# Altium PCB DSP_FPGA.PcbDoc (part 4 of 7)
Units mm, origin at the board's own origin, x right, y up, seen from the top; angles counter-clockwise.
Board outline 243.59 x 170.13 mm, 2 copper layers (Top Layer, Bottom Layer); 649 components, 606 nets, 2327 pads, 2753 vias.
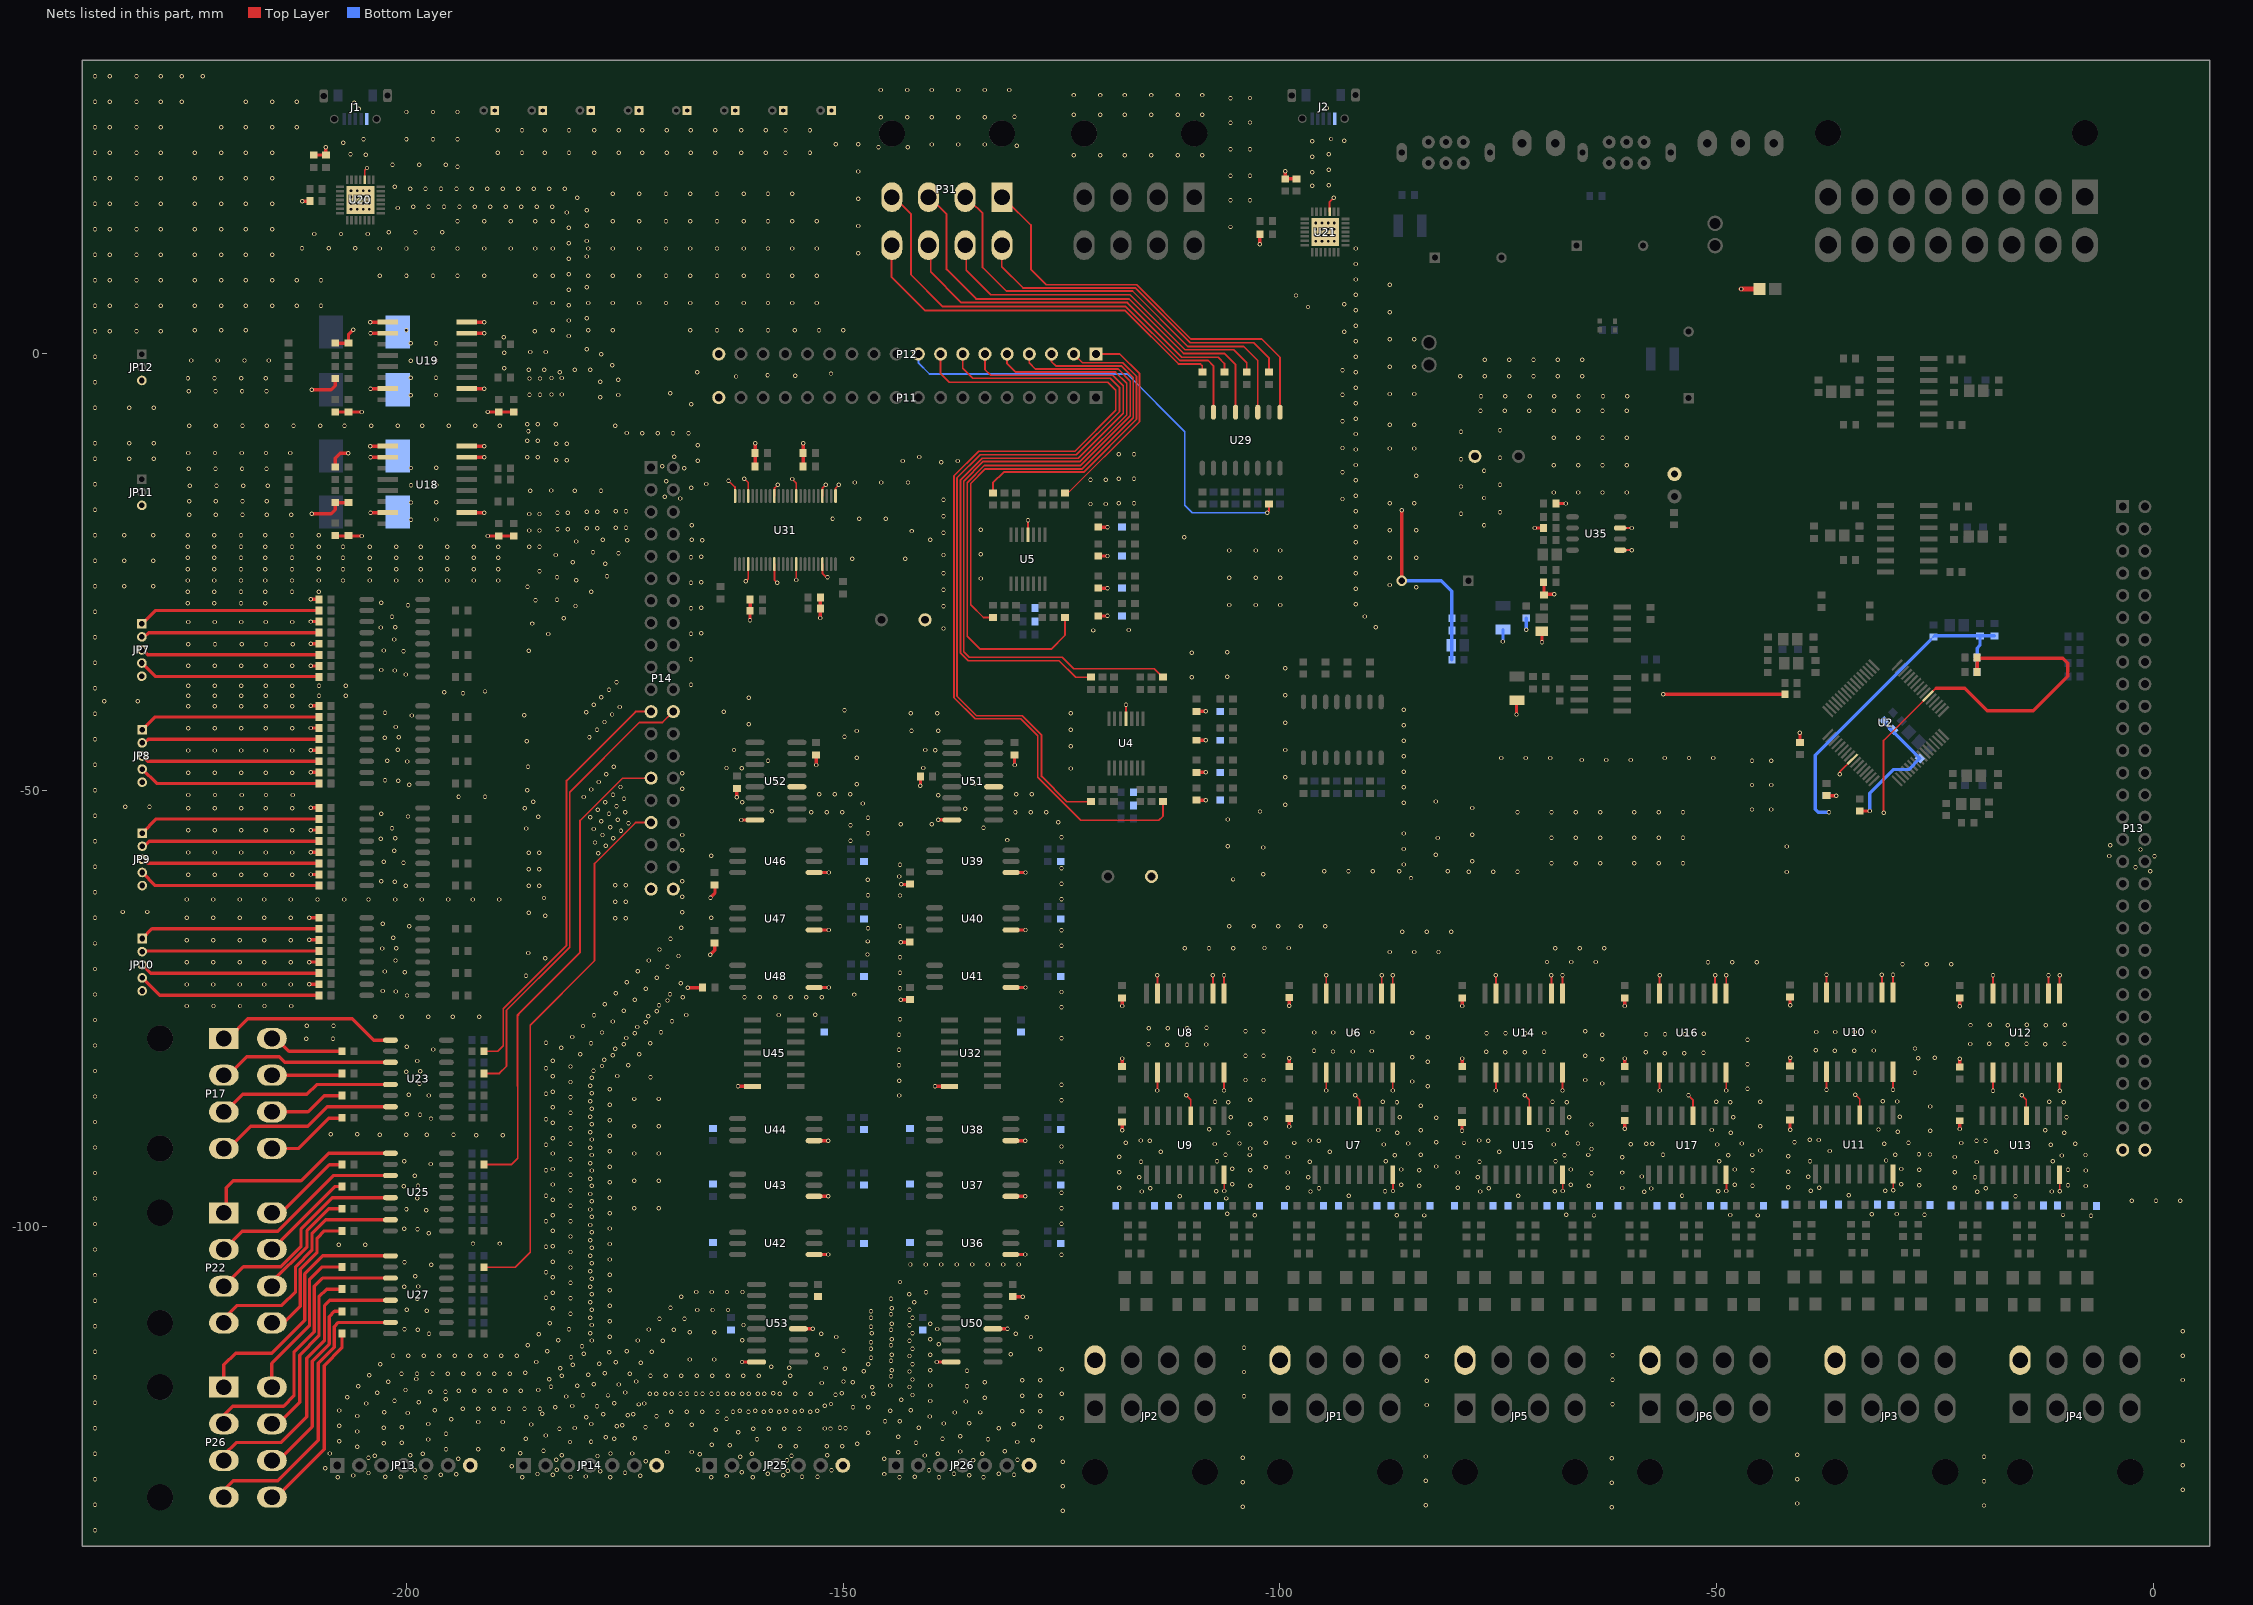
[diagram p4: the nets of this part, all layers, seen from the top]

## Via types
v1: diameter 0.5, hole 0.3, Top Layer to Bottom Layer, tented both sides, 2737 vias
v2: diameter 1.016, hole 0.508, Top Layer to Bottom Layer, tented both sides, 9 vias
v3: diameter 1, hole 0.5, Top Layer to Bottom Layer, tented both sides, 4 vias
v4: diameter 1.2, hole 0.6, Top Layer to Bottom Layer, tented both sides, 2 vias
v5: diameter 1.524, hole 0.762, Top Layer to Bottom Layer, tented both sides, 1 vias

## Nets (pads, with @x,y where several pads share a name; then routed paths per layer and width w, separated by ;. In a path a pad name is that pad's centre, name@x,y a point inside that pad or via, vN(x,y) a via of type N, cw(c..) or ccw(c..) an arc to the next point about the centre after c; other vN are vias at no path point) (continued)
DGND: (continued)
  other v1: -235.687,-134.722 -124.892,-132.486 -62.027,-132.08 -104.267,-132.029 -19.38,-131.902 -83.312,-131.877 -235.687,-131.801 -40.767,-131.674 3.378,-130.099 -124.892,-129.692 -62.027,-129.286 -104.267,-129.235 -19.38,-129.108 -83.312,-129.083 -235.687,-128.88 -40.767,-128.88 -197.837,-128.664 -207.873,-128.662 -186.751,-128.662 -176.694,-128.644 -165.117,-128.662 -160.373,-128.653 -143.569,-128.662 -139.048,-128.653 -133.951,-128.655 -181.244,-128.633 -202.461,-128.603 -200.691,-128.613 -154.731,-128.604 -152.961,-128.612 -141.8,-128.611 -179.475,-128.579 -163.353,-128.527 -173.264,-128.494 -206.113,-128.467 -156.887,-128.413 -135.562,-128.415 -130.457,-128.396 -196.091,-128.372 -183.253,-128.381 -194.322,-128.303 -185.021,-128.291 -145.301,-128.298 -132.223,-128.271 -158.649,-128.252 -137.324,-128.25 -204.367,-128.18 -174.998,-128.138 -161.639,-128.085 -177.814,-127.968 -156.358,-127.908 -199.088,-127.864 -151.355,-127.869 -140.19,-127.876 -182.809,-127.805 -166.659,-127.792 -209.314,-127.635 -187.986,-127.395 3.378,-127.305 -124.892,-126.898 -172.637,-126.839 -156.447,-126.699 -135.118,-126.702 -130.05,-126.674 -182.88,-126.651 -194.108,-126.546 -145.331,-126.528 -62.027,-126.492 -104.267,-126.441 -204.373,-126.41 -161.803,-126.322 -19.38,-126.314 -83.312,-126.289 -178.154,-126.23 -203.671,-126.194 -155.931,-126.191 -199.572,-126.161 -151.832,-126.164 -140.659,-126.169 -182.242,-126.128 -40.767,-126.086 -166.435,-126.036 -198.173,-125.989 -235.687,-125.959 -176.662,-125.949 -174.167,-125.949 -160.497,-125.96 -139.167,-125.96 -134.104,-125.964 -208.812,-125.937 -186.985,-125.935 -143.723,-125.789 -170.142,-125.768 -167.348,-125.768 -136.592,-125.721 -131.512,-125.676 -184.327,-125.631 -195.494,-125.445 -191.795,-125.463 -189.001,-125.463 -205.654,-125.189 -157.216,-125.105 -155.446,-125.105 -151.906,-125.105 -150.136,-125.105 -162.999,-125.018 -165.05,-124.934 -148.39,-124.814 -202.625,-124.766 -200.574,-124.702 -141.672,-124.717 -181.298,-124.631 -130.086,-124.627 -178.884,-124.618 -207.705,-124.556 3.378,-124.511 -128.329,-124.417 -197.545,-124.334 -133.436,-124.325 -159.886,-124.299 -186.378,-124.272 -138.643,-124.269 -176.218,-124.236 -173.896,-124.2 -177.197,-124.08 -143.723,-124.019 -136.592,-123.951 -184.09,-123.877 -195.494,-123.675 -147.139,-123.562 -162.041,-123.529 -205.654,-123.419 -164.628,-123.215 -160.322,-123.111 -158.552,-123.111 -156.782,-123.111 -155.012,-123.111 -182.501,-123.098 -152.144,-123.081 -151.472,-123.088 -149.749,-123.053 -132.196,-123.062 -235.687,-123.038 -180.733,-123.017 -202.625,-122.996 -150.376,-122.996 -141.35,-122.977 -200.574,-122.932 -172.645,-122.948 -127.46,-122.875 -175.946,-122.829 -207.705,-122.786 -175.313,-122.715 -170.142,-122.644 -167.348,-122.644 -185.736,-122.623 -130.494,-122.575 -197.545,-122.564 -178.855,-122.567 -138.489,-122.506 -135.588,-122.493 -191.795,-122.339 -189.001,-122.339 -145.227,-122.26 -143.528,-122.26 -194.906,-122.006 -163.376,-121.963 -124.968,-121.895 -179.449,-121.798 -171.393,-121.696 -140.124,-121.7 -205.654,-121.649 -174.694,-121.577 -177.476,-121.458 -174.061,-121.463 -184.485,-121.371 -199.872,-121.308 -137.244,-121.247 -202.579,-121.227 -134.337,-121.241 -169.712,-121.142 -167.942,-121.142 -166.172,-121.142 -164.402,-121.142 -162.632,-121.142 -160.862,-121.142 -159.092,-121.142 -157.322,-121.142 -155.552,-121.142 -153.782,-121.142 -129.512,-121.103 -127.46,-121.105 -161.854,-121.059 -160.084,-121.059 -158.314,-121.059 -156.544,-121.059 -154.774,-121.059 -153.004,-121.059 -144.636,-121.059 -207.705,-121.016 -142.279,-121.005 -196.772,-120.972 -193.588,-120.825 -191.818,-120.825 -190.048,-120.825 -188.278,-120.825 -186.508,-120.825 -184.738,-120.825 -182.975,-120.665 -147.141,-120.664 -148.896,-120.662 -178.198,-120.547 -181.059,-120.507 -152.147,-120.466 -83.21,-120.396 -173.443,-120.326 -61.925,-120.294 -151.415,-120.28 -204.612,-120.219 -176.224,-120.206 -172.81,-120.212 -235.687,-120.117 -198.62,-120.056 -135.992,-119.996 -140.033,-119.932 -201.385,-119.92 -143.384,-119.807 -195.521,-119.72 -133.785,-119.559 -206.793,-119.499 -181.716,-119.421 -147.644,-119.41 -104.115,-119.405 -129.512,-119.333 -127.46,-119.335 -176.946,-119.295 -179.807,-119.256 -142.085,-119.246 -150.895,-119.214 -171.433,-119.099 -169.663,-119.091 -167.893,-119.091 -166.123,-119.091 -164.353,-119.091 -162.583,-119.091 -160.813,-119.091 -159.043,-119.091 -157.273,-119.091 -155.503,-119.091 -153.733,-119.091 -146.593,-119.099 -124.968,-119.101 -172.18,-119.085 -170.41,-119.085 -168.64,-119.085 -166.87,-119.085 -165.1,-119.085 -163.33,-119.085 -161.56,-119.085 -159.79,-119.085 -158.021,-119.034 -150.163,-119.029 -203.36,-118.967 -174.972,-118.955 -197.319,-118.856 -195.549,-118.856 -194.025,-118.773 -192.255,-118.773 -190.485,-118.773 -188.715,-118.773 -186.945,-118.773 -200.134,-118.669 -184.939,-118.67 -146.685,-118.364 -142.421,-118.322 -183.476,-118.279 -205.542,-118.247 -135.836,-118.233 -180.465,-118.169 -144.638,-118.161 -140.033,-118.162 -175.694,-118.044 -178.556,-118.004 -152.452,-117.87 -156.717,-117.837 -148.912,-117.777 -133.785,-117.789 -202.109,-117.715 -173.721,-117.703 -149.972,-117.704 -83.21,-117.602 -127.46,-117.565 -129.512,-117.563 3.378,-117.526 -61.925,-117.5 -142.085,-117.476 -198.882,-117.417 -183.682,-117.424 -235.687,-117.196 -144.542,-117.088 -156.07,-117.056 -172.082,-117.034 -170.312,-117.034 -168.542,-117.034 -166.772,-117.034 -165.002,-117.034 -163.232,-117.034 -161.462,-117.034 -159.692,-117.034 -182.224,-117.028 -204.29,-116.996 -179.213,-116.918 -200.587,-116.812 -198.817,-116.812 -197.047,-116.812 -195.277,-116.812 -193.507,-116.812 -191.737,-116.812 -189.967,-116.812 -188.197,-116.812 -174.443,-116.792 -177.304,-116.752 -186.43,-116.707 -104.115,-116.611 -142.421,-116.552 -147.66,-116.525 -135.836,-116.463 -144.472,-116.398 -140.033,-116.392 -124.968,-116.307 -149.835,-116.23 -182.43,-116.172 -156.2,-116.144 -152.023,-116.153 -158.252,-116.005 -180.972,-115.776 -203.038,-115.744 -147.13,-115.722 -142.085,-115.706 -177.961,-115.666 -173.191,-115.54 -176.052,-115.501 -185.162,-115.472 -144.542,-115.318 -167.564,-115.176 -164.77,-115.176 -146.834,-114.96 -181.179,-114.921 -83.21,-114.808 -142.421,-114.782 -201.567,-114.76 -199.797,-114.76 -198.027,-114.76 -196.257,-114.76 -194.487,-114.76 -192.717,-114.76 -190.947,-114.76 -189.177,-114.76 -187.407,-114.76 3.378,-114.732 -61.925,-114.706 -152.966,-114.655 -144.472,-114.628 -140.033,-114.622 -130.809,-114.589 -179.721,-114.525 -176.785,-114.343 -171.94,-114.289 -235.687,-114.275 -174.801,-114.249 -183.911,-114.22 -149.972,-114.164 -127.46,-114.025 -146.837,-113.944 -142.085,-113.936 -104.115,-113.817 -179.927,-113.669 -186.128,-113.537 -144.542,-113.548 -139.078,-113.451 -146.834,-113.19 -170.688,-113.037 -178.813,-113.005 -173.549,-112.998 -142.421,-113.012 -182.659,-112.969 -161.553,-112.992 -144.472,-112.858 -140.033,-112.852 -150.795,-112.597 -128.506,-112.597 -176.762,-112.573 -184.877,-112.285 -197.447,-112.243 -152.528,-112.236 -130.239,-112.236 -146.749,-112.192 -178.997,-112.163 -142.085,-112.166 -167.564,-112.052 -164.77,-112.052 3.378,-111.938 -198.717,-111.785 -169.437,-111.786 -144.542,-111.778 -200.241,-111.735 -172.298,-111.746 -181.414,-111.711 -139.265,-111.691 -146.834,-111.42 -235.687,-111.354 -142.421,-111.242 -178.813,-111.235 -161.433,-111.226 -144.472,-111.088 -140.033,-111.082 -183.625,-111.034 -176.762,-110.803 -168.185,-110.534 -171.046,-110.494 -178.997,-110.393 -146.825,-110.388 -142.085,-110.396 -129.013,-110.36 -144.542,-110.008 -181.232,-109.95 -146.834,-109.65 -197.701,-109.601 -199.987,-109.499 -166.742,-109.509 -164.972,-109.509 -163.202,-109.509 -178.813,-109.465 -142.421,-109.472 -144.472,-109.318 -183.283,-109.297 -169.795,-109.243 -176.762,-109.033 -178.997,-108.623 -141.873,-108.639 -235.687,-108.433 -198.768,-108.242 -144.542,-108.238 -181.232,-108.18 -184.048,-108.102 -168.543,-107.991 -178.813,-107.695 -142.43,-107.702 -183.283,-107.527 -166.855,-107.458 -165.085,-107.458 -163.315,-107.458 -161.545,-107.458 -140.538,-107.476 -176.762,-107.263 -200.292,-106.87 -178.997,-106.853 -198.666,-106.82 -181.232,-106.41 -143.509,-106.3 -178.813,-105.925 -183.283,-105.757 -199.022,-105.651 -235.687,-105.512 -176.762,-105.493 -184.048,-105.181 -178.997,-105.083 -181.232,-104.64 -197.193,-104.331 -142.314,-104.308 -140.544,-104.308 -138.774,-104.308 -137.004,-104.308 -135.234,-104.308 -133.464,-104.308 -131.694,-104.308 -129.924,-104.308 -178.813,-104.155 -200.241,-104.026 -183.283,-103.987 -176.762,-103.723 -178.997,-103.313 -125.016,-103.186 -181.232,-102.87 -235.687,-102.591 -178.813,-102.385 -184.048,-102.26 -183.283,-102.217 -207.772,-102.032 -204.724,-102.032 -176.762,-101.953 -192.405,-101.905 -189.357,-101.905 -178.997,-101.543 -181.232,-101.1 -197.485,-100.711 -178.813,-100.615 -183.283,-100.447 -198.755,-100.254 -200.279,-100.203 -176.762,-100.183 -178.997,-99.773 -235.687,-99.67 -125.016,-99.646 -184.048,-99.339 -181.232,-99.33 -178.813,-98.845 -7.129,-98.707 -183.283,-98.677 -102.908,-98.666 -86.627,-98.666 -83.481,-98.684 -64.05,-98.684 -45.305,-98.684 -48.463,-98.628 -10.343,-98.627 -67.221,-98.603 -26.204,-98.604 -32.233,-98.565 -29.362,-98.514 -106.025,-98.504 -176.762,-98.413 -197.739,-98.069 -178.997,-98.003 -200.025,-97.968 -125.016,-97.876 -173.927,-97.841 -171.132,-97.841 -181.232,-97.56 -178.813,-97.075 -2.489,-97.003 0.305,-97.003 3.099,-97.003 -183.283,-96.907 -235.687,-96.749 -106.137,-96.738 -198.806,-96.71 -176.762,-96.643 -111.474,-96.493 -15.786,-96.471 -92.136,-96.447 -72.705,-96.447 -53.96,-96.447 -184.048,-96.418 -34.859,-96.369 -178.997,-96.233 -125.016,-96.106 -58.302,-95.967 -20.148,-95.957 -115.83,-95.945 -107.306,-95.926 -96.501,-95.945 -87.977,-95.926 -77.07,-95.945 -68.546,-95.926 -49.801,-95.926 -11.624,-95.938 -39.224,-95.868 -30.7,-95.849 -181.232,-95.79 -57.488,-95.605 -114.861,-95.579 -95.532,-95.579 -76.101,-95.579 -19.179,-95.592 -60.817,-95.545 -99.095,-95.532 -79.664,-95.532 -22.743,-95.529 -118.424,-95.513 -38.255,-95.503 -41.818,-95.455 -200.33,-95.339 -178.813,-95.305 -103.397,-95.296 -84.067,-95.296 -64.636,-95.296 -45.891,-95.296 -7.715,-95.309 -198.704,-95.288 -26.791,-95.22 -9.766,-95.213 -86.119,-95.189 -66.688,-95.189 -47.943,-95.189 -183.283,-95.137 -28.842,-95.13 -105.448,-95.107 -176.762,-94.873 -173.927,-94.717 -171.132,-94.717 -178.997,-94.463 -20.415,-94.324 -116.097,-94.312 -96.767,-94.312 -77.336,-94.312 -39.491,-94.236 -58.591,-94.221 -199.06,-94.12 -181.232,-94.02 -64.325,-93.866 -235.687,-93.828 -60.817,-93.775 -118.424,-93.743 -99.095,-93.762 -79.664,-93.762 -22.743,-93.759 -41.818,-93.685 -7.715,-93.539 -178.813,-93.535 -103.397,-93.526 -84.067,-93.526 -45.891,-93.526 -184.048,-93.497 -26.791,-93.45 -9.766,-93.443 -86.119,-93.419 -66.688,-93.419 -47.943,-93.419 -183.283,-93.367 -28.842,-93.36 -105.448,-93.337 -101.638,-93.154 -176.762,-93.103 -82.105,-93.078 -197.231,-92.799 -178.997,-92.693 -125.016,-92.566 -115.911,-92.552 -96.581,-92.552 -77.15,-92.552 -20.229,-92.564 -200.279,-92.494 -39.305,-92.475 -11.525,-92.477 -107.207,-92.464 -87.878,-92.464 -68.447,-92.464 -49.702,-92.464 -30.601,-92.388 -181.232,-92.25 -99.095,-91.992 -79.664,-91.992 -60.817,-92.005 -22.743,-91.989 -118.424,-91.973 -41.818,-91.915 -10.491,-91.828 -86.85,-91.808 -67.419,-91.808 -48.674,-91.808 -178.813,-91.765 -7.761,-91.769 -106.235,-91.752 -103.443,-91.757 -64.683,-91.757 -45.937,-91.757 -29.562,-91.743 -83.883,-91.732 -56.144,-91.732 -25.566,-91.707 -26.837,-91.681 -183.283,-91.597 -173.927,-91.592 -171.132,-91.592 -17.968,-91.389 -113.65,-91.376 -94.321,-91.376 -74.89,-91.376 -176.762,-91.333 -37.044,-91.3 -45.021,-91.249 -64.325,-91.072 -103.416,-91.021 -178.997,-90.923 -235.687,-90.907 -125.016,-90.796 -184.048,-90.576 -11.742,-90.576 -88.102,-90.556 -68.671,-90.556 -59.819,-90.544 -49.926,-90.556 -107.487,-90.5 -30.813,-90.492 -181.232,-90.48 -58.05,-90.465 -57.391,-90.475 -8.955,-90.463 -104.637,-90.45 -85.307,-90.45 -65.876,-90.45 -47.131,-90.45 -117.675,-90.37 -98.358,-90.382 -78.927,-90.382 -28.031,-90.374 -21.995,-90.384 -101.638,-90.361 -82.105,-90.284 -41.081,-90.306 -19.215,-90.132 -115.924,-90.11 -114.896,-90.119 -96.609,-90.11 -95.567,-90.119 -77.178,-90.11 -76.136,-90.119 -20.244,-90.122 -39.332,-90.033 -38.29,-90.043 -178.813,-89.995 -183.283,-89.827 -176.762,-89.563 -192.049,-89.51 -189.001,-89.51 -203.098,-89.459 -200.05,-89.459 -197.688,-89.459 -194.64,-89.459 -208.712,-89.383 -205.664,-89.383 -105.888,-89.198 -86.559,-89.198 -67.128,-89.198 -48.383,-89.198 -10.206,-89.211 -178.997,-89.153 -29.282,-89.122 -25.54,-89.002 -83.883,-88.938 -12.392,-88.93 -88.745,-88.907 -69.314,-88.907 -50.568,-88.907 -31.468,-88.847 -108.078,-88.832 -181.232,-88.71 -173.927,-88.468 -171.132,-88.468 -45.021,-88.456 -64.325,-88.278 -178.813,-88.225 -103.416,-88.227 -183.283,-88.057 -235.687,-87.986 -176.762,-87.793 -184.048,-87.655 -197.206,-87.592 -101.638,-87.566 -82.105,-87.49 -105.62,-87.449 -86.291,-87.449 -66.86,-87.449 -48.114,-87.449 -9.938,-87.461 -178.997,-87.383 -29.014,-87.373 -198.476,-87.135 -200,-87.084 -181.232,-86.94 -178.813,-86.455 -183.283,-86.287 -25.54,-86.208 -83.883,-86.144 -176.762,-86.023 -10.255,-85.72 -105.937,-85.707 -86.608,-85.707 -67.177,-85.707 -48.432,-85.707 -107.446,-85.668 -88.232,-85.668 -68.801,-85.668 -50.056,-85.668 -45.021,-85.661 -11.897,-85.681 -178.997,-85.613 -29.331,-85.631 -30.983,-85.592 -125.016,-85.486 -103.416,-85.433 -173.927,-85.344 -171.132,-85.344 -181.232,-85.17 -235.687,-85.065 -197.46,-84.95 -143.612,-84.95 -199.746,-84.849 -184.048,-84.734 -178.813,-84.685 -183.283,-84.517 -176.762,-84.253 -46.469,-84.163 -83.096,-83.883 -178.997,-83.843 -125.016,-83.716 -198.526,-83.591 -63.106,-83.579 -181.232,-83.4 -84.874,-83.35 -143.612,-83.274 -103.95,-83.172 -101.892,-83.172 -65.062,-83.172 -178.796,-82.915 -172.085,-82.867 -183.283,-82.747 -175.877,-82.72 -27.293,-82.359 -200.05,-82.22 -198.425,-82.169 -235.687,-82.144 -178.611,-82.116 -184.048,-81.813 -181.232,-81.63 -177.636,-81.579 -143.624,-81.496 -174.625,-81.469 -46.469,-81.369 -83.096,-81.09 -198.78,-81.001 -183.283,-80.977 -177.359,-80.864 -63.106,-80.785 -26.924,-80.706 -25.007,-80.632 -84.874,-80.556 -103.95,-80.378 -101.892,-80.378 -65.062,-80.378 -176.384,-80.327 -180.14,-80.237 -173.374,-80.217 -55.956,-80.099 -53.708,-80.099 -51.511,-80.048 -74.219,-80.01 -71.971,-80.01 -58.128,-80.01 -69.774,-79.959 -76.391,-79.921 -93.929,-79.908 -91.681,-79.908 -89.484,-79.858 -96.101,-79.819 -36.475,-79.845 -34.227,-79.845 -32.03,-79.794 -38.647,-79.756 -143.624,-79.731 -196.952,-79.68 -176.108,-79.613 -27.293,-79.566 -182.306,-79.501 -200,-79.375 -235.687,-79.223 -112.89,-79.159 -110.642,-79.159 -108.445,-79.108 -175.133,-79.076 -115.062,-79.07 -20.968,-79.057 -16.713,-79.07 -12.37,-79.07 -18.771,-79.007 -14.516,-79.019 -10.173,-79.019 -178.889,-78.985 -172.122,-78.966 -184.048,-78.892 -46.469,-78.575 -211.48,-78.461 -208.432,-78.461 -125.016,-78.406 -174.856,-78.361 -83.096,-78.295 -181.054,-78.25 -63.106,-77.991 -143.624,-77.978 -58.09,-77.927 -55.918,-77.927 -53.67,-77.927 -51.473,-77.876 -76.352,-77.838 -74.181,-77.838 -71.933,-77.838 -173.881,-77.824 -69.736,-77.787 -96.063,-77.737 -93.891,-77.737 -91.643,-77.737 -84.874,-77.762 -177.637,-77.734 -170.871,-77.714 -89.446,-77.686 -38.608,-77.673 -36.437,-77.673 -34.189,-77.673 -31.992,-77.622 -103.95,-77.584 -101.892,-77.584 -65.062,-77.584 -115.024,-77.241 -112.852,-77.241 -110.604,-77.241 -108.407,-77.191 -173.605,-77.11 -179.803,-76.998 -211.43,-76.962 -208.382,-76.962 -20.93,-76.886 -16.675,-76.898 -12.332,-76.898 -18.732,-76.835 -14.478,-76.848 -10.135,-76.848 -172.63,-76.572 -176.386,-76.482 -169.619,-76.463 -235.687,-76.302 -143.509,-76.21 -203.606,-75.946 -200.558,-75.946 -197.51,-75.946 -194.716,-75.946 -191.668,-75.946 -172.353,-75.858 -178.551,-75.747 -168.003,-75.74 -157.383,-75.74 -153.225,-75.705 -171.378,-75.321 -175.134,-75.23 -125.016,-74.866 -225.171,-74.701 -222.123,-74.701 -219.075,-74.701 -216.281,-74.701 -213.233,-74.701 -171.102,-74.606 -177.3,-74.495 -170.126,-74.069 -173.883,-73.979 -168.398,-73.688 -161.318,-73.688 -159.548,-73.688 -157.778,-73.688 -156.008,-73.688 -154.238,-73.688 -152.468,-73.688 -199.962,-73.495 -235.687,-73.381 -148.768,-73.393 -169.85,-73.355 -176.048,-73.243 -125.016,-73.096 -201.231,-73.038 -202.755,-72.987 -172.631,-72.727 -143.509,-72.67 -167.812,-72.616 -225.194,-72.238 -222.146,-72.238 -219.098,-72.238 -216.304,-72.238 -213.256,-72.238 -168.598,-72.103 -174.796,-71.992 -171.379,-71.476 -186.334,-71.222 -143.509,-70.9 -200.215,-70.853 -202.501,-70.752 -173.545,-70.74 -235.687,-70.46 -170.128,-70.224 -28.715,-69.939 -25.921,-69.939 -23.127,-69.939 -225.194,-69.698 -222.146,-69.698 -219.098,-69.698 -216.304,-69.698 -213.256,-69.698 -69.431,-69.659 -66.637,-69.659 -63.843,-69.659 -50.99,-69.685 -48.197,-69.685 -45.402,-69.685 -201.282,-69.494 -172.293,-69.489 -184.125,-69.215 -143.509,-69.13 -168.876,-68.972 -147.231,-68.809 -186.08,-68.631 -87.439,-68.516 -84.645,-68.516 -81.852,-68.516 -171.042,-68.237 -202.806,-68.123 -201.181,-68.072 -110.922,-68.072 -108.128,-68.072 -105.334,-68.072 -68.478,-68.072 -65.684,-68.072 -62.89,-68.072 -101.778,-68.059 -98.984,-68.059 -125.016,-67.786 -235.687,-67.539 -147.193,-67.31 -225.194,-67.158 -222.146,-67.158 -219.098,-67.158 -216.304,-67.158 -213.256,-67.158 -169.79,-66.986 -201.536,-66.904 -85.979,-66.192 -83.185,-66.192 -80.391,-66.192 -125.016,-66.016 -147.18,-65.799 -168.539,-65.734 -199.707,-65.583 -143.509,-65.59 -105.791,-65.557 -102.997,-65.557 -100.203,-65.557 -97.625,-65.557 -94.831,-65.557 -202.755,-65.278 -176.098,-64.656 -174.904,-64.656 -235.687,-64.618 -225.194,-64.618 -222.146,-64.618 -219.098,-64.618 -216.304,-64.618 -213.256,-64.618 -165.116,-64.586 -184.15,-64.364 -186.004,-64.008 -168.432,-63.967 -232.512,-63.932 -229.718,-63.932 -176.098,-62.77 -174.904,-62.77 -225.194,-62.509 -222.146,-62.509 -219.098,-62.509 -216.304,-62.509 -213.256,-62.509 -210.208,-62.509 -207.16,-62.509 -204.366,-62.509 -201.318,-62.509 -198.27,-62.509 -195.222,-62.509 -192.428,-62.509 -189.38,-62.509 -125.016,-62.476 -184.277,-62.332 -168.432,-62.197 -143.509,-62.05 -147.18,-62.001 -235.687,-61.697 -200.101,-60.922 -186.03,-60.947 -184.836,-60.947 -176.098,-60.884 -174.904,-60.884 -125.016,-60.706 -201.371,-60.465 -202.895,-60.414 -168.432,-60.427 -147.193,-60.236 -105.372,-60.211 -84.999,-60.053 -143.586,-59.868 -225.019,-59.665 -221.971,-59.665 -218.923,-59.665 -216.129,-59.665 -213.081,-59.665 -101.93,-59.601 -41.986,-59.36 -78.384,-59.334 -75.59,-59.334 -72.796,-59.334 -94.945,-59.284 -92.151,-59.284 -89.357,-59.284 -86.36,-59.284 -80.772,-59.284 -0.331,-59.257 -186.03,-59.061 -184.836,-59.061 -125.016,-58.936 -2.046,-58.82 -235.687,-58.776 -143.509,-58.51 -85.841,-58.496 -68.91,-58.344 -66.116,-58.344 -63.322,-58.344 -59.436,-58.344 -56.642,-58.344 -53.848,-58.344 -200.355,-58.28 -202.641,-58.179 -77.978,-58.128 0.137,-57.55 -5.03,-57.533 -165.116,-57.506 -82.156,-57.379 -178.054,-57.226 -186.03,-57.175 -184.836,-57.175 -225.019,-57.125 -221.971,-57.125 -218.923,-57.125 -216.129,-57.125 -213.081,-57.125 -201.422,-56.921 -168.432,-56.887 -1.461,-56.788 -85.841,-56.726 -101.93,-56.553 -41.986,-56.439 -105.994,-56.401 -177.19,-56.363 -4.928,-56.285 -178.435,-55.982 -235.687,-55.855 -149.184,-55.783 -131.242,-55.702 -202.946,-55.55 -201.32,-55.499 -176.327,-55.499 -81.915,-55.461 -68.91,-55.423 -66.116,-55.423 -63.322,-55.423 -59.436,-55.423 -56.642,-55.423 -53.848,-55.423 -125.016,-55.396 -177.571,-55.118 -168.432,-55.117 -77.978,-55.08 -85.841,-54.956 -147.168,-54.927 -175.463,-54.635 -225.019,-54.585 -221.971,-54.585 -218.923,-54.585 -216.129,-54.585 -213.081,-54.585 -178.562,-54.432 -186.309,-54.381 -201.676,-54.331 -133.947,-54.28 -176.708,-54.254 -149.184,-54.013 -143.404,-53.876 -139.864,-53.876 -174.6,-53.772 -125.4,-53.668 -177.698,-53.569 -175.844,-53.391 -105.994,-53.353 -147.18,-53.162 -178.968,-53.086 -184.937,-53.035 -199.847,-53.01 -235.687,-52.934 